# Altium PCB pcb-ash-power.PcbDoc (part 6 of 6)
Units mm, origin at the board's own origin, x right, y up, seen from the top; angles counter-clockwise.
Board outline 140 x 87 mm, 4 copper layers (Top Layer, VCC, GND, Bottom Layer), stack 1.641 mm thick; 589 components, 453 nets, 2323 pads, 1205 vias.
Unrouted connection lines stored in the file: 345.
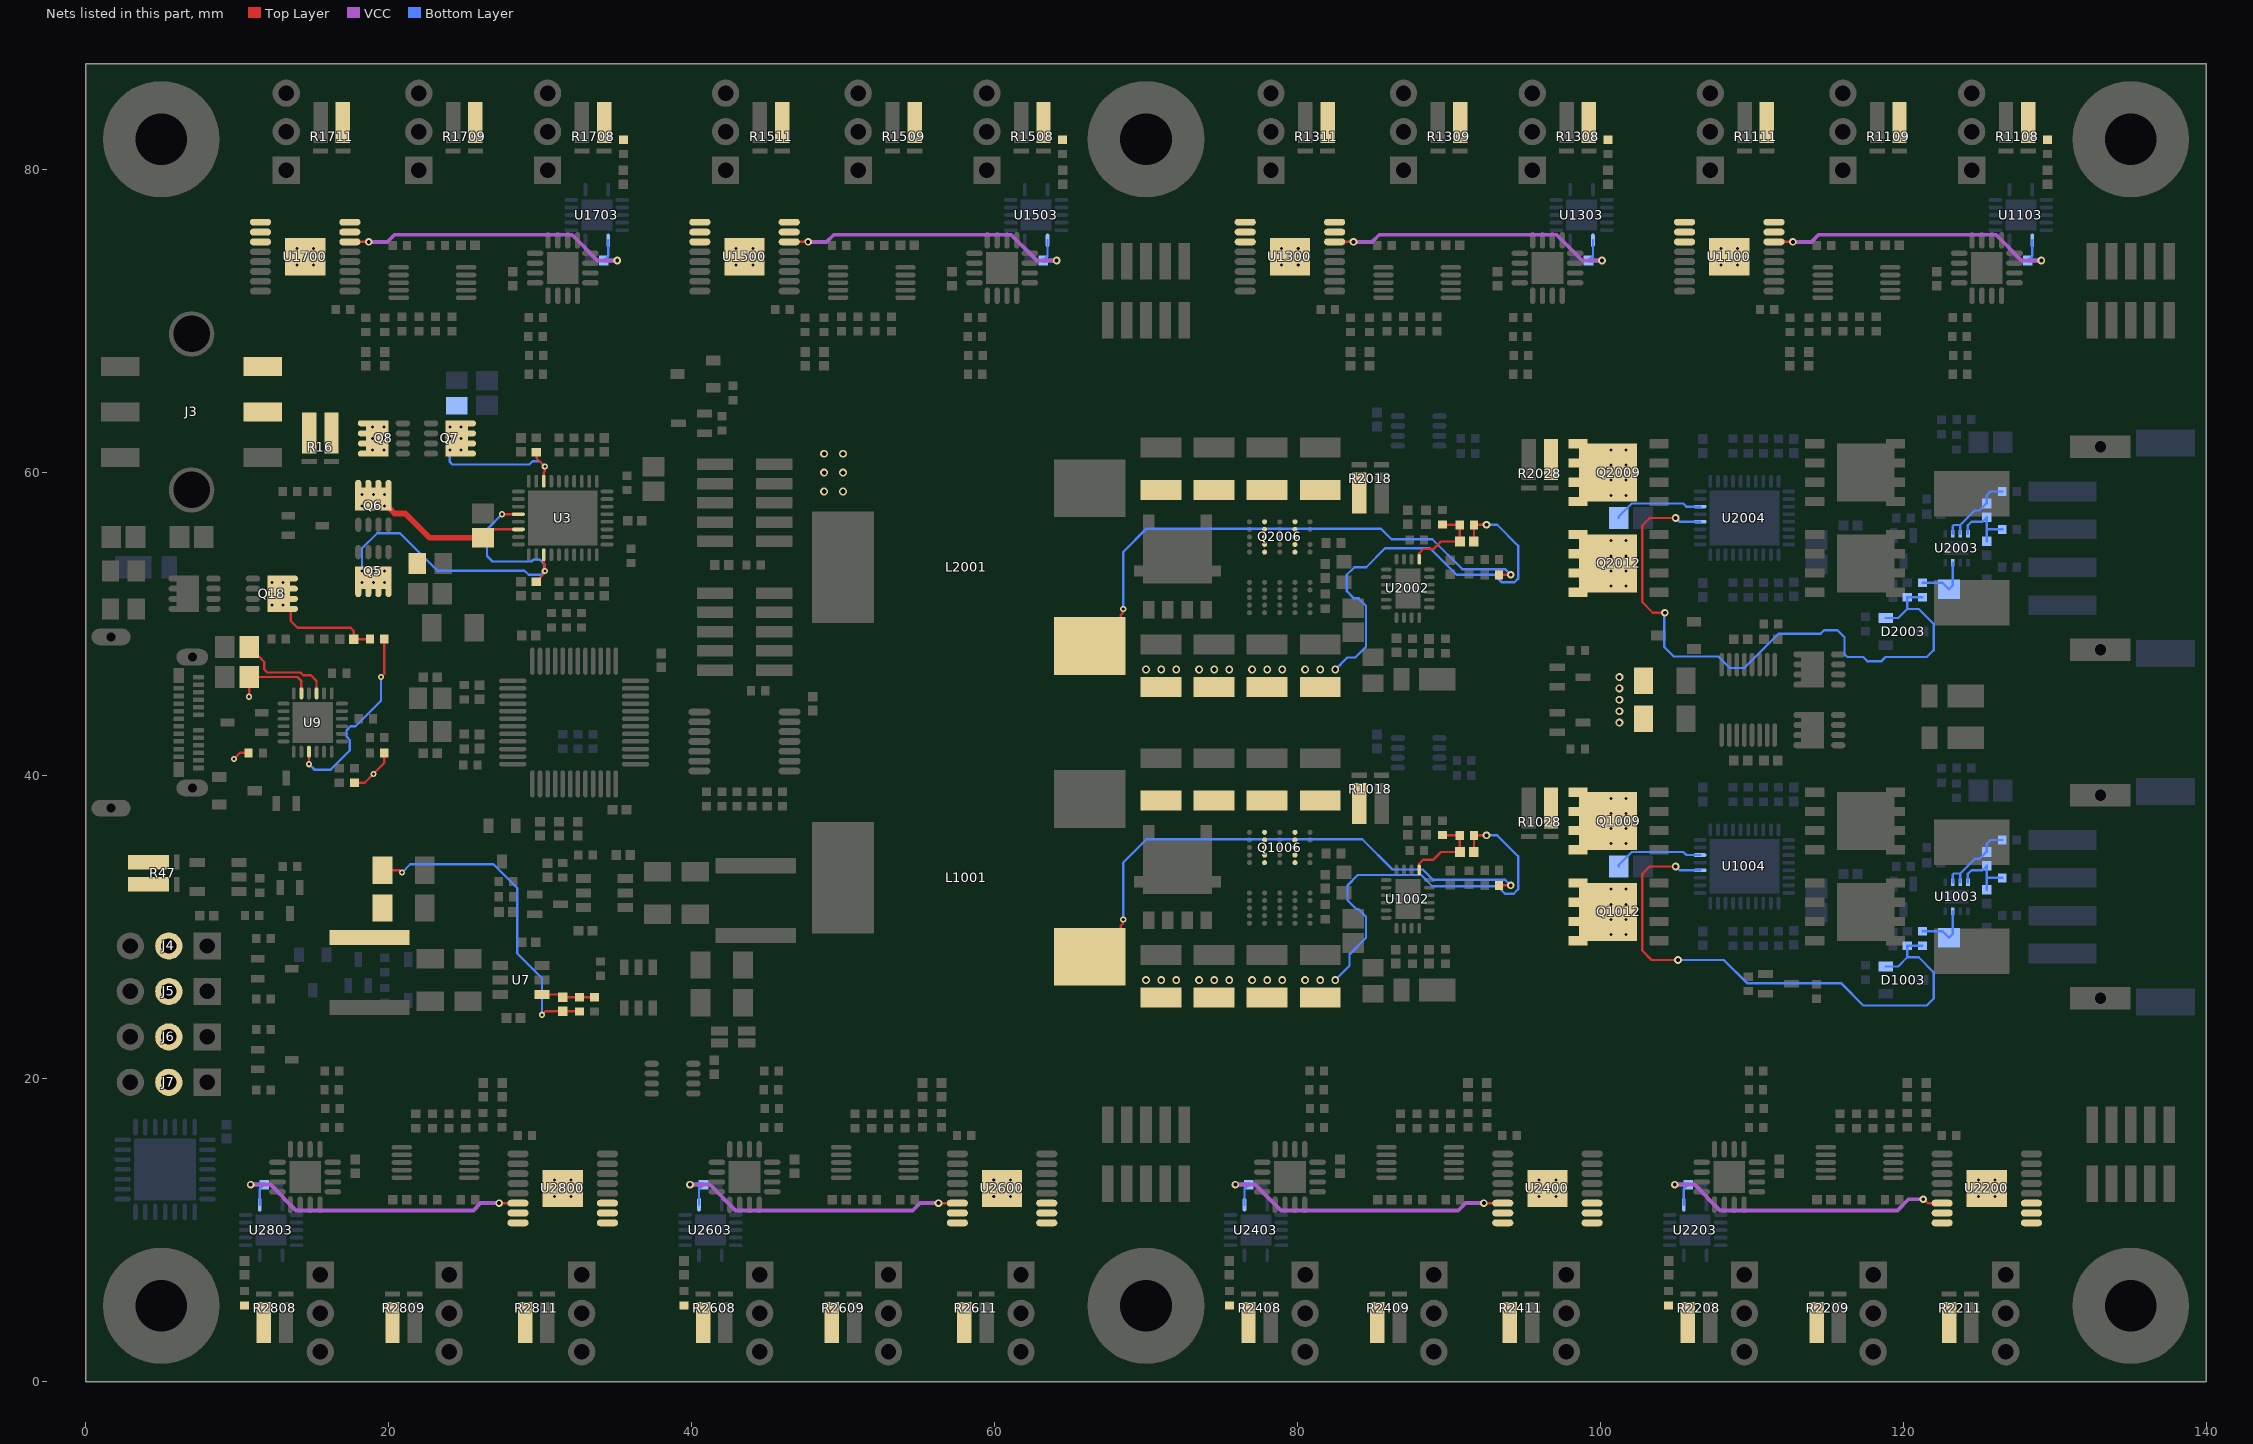
[diagram p8: the nets of this part, all layers, seen from the top]

## Via types
v1: diameter 0.5, hole 0.25, Top Layer to Bottom Layer, tented both sides, 250 vias
v2: diameter 0.406, hole 0.203, Top Layer to Bottom Layer, 244 vias
v3: diameter 0.5, hole 0.2, Top Layer to Bottom Layer, 202 vias
v4: diameter 0.508, hole 0.3, Top Layer to Bottom Layer, 155 vias
v5: diameter 0.4, hole 0.2, Top Layer to Bottom Layer, tented both sides, 103 vias
v6: diameter 0.508, hole 0.254, Top Layer to Bottom Layer, tented both sides, 82 vias
v7: diameter 1.27, hole 0.7, Top Layer to Bottom Layer, 48 vias
v8: diameter 0.4, hole 0.2, Top Layer to Bottom Layer, 47 vias
v9: diameter 0.5, hole 0.254, Top Layer to Bottom Layer, 24 vias
v10: diameter 0.508, hole 0.254, Top Layer to Bottom Layer, 19 vias
v11: diameter 0.508, hole 0.2, Top Layer to Bottom Layer, 17 vias
v12: diameter 0.406, hole 0.203, Top Layer to Bottom Layer, tented both sides, 10 vias
v13: diameter 0.508, hole 0.2, Top Layer to Bottom Layer, tented both sides, 4 vias

## Nets (pads, with @x,y where several pads share a name; then routed paths per layer and width w, separated by ;. In a path a pad name is that pad's centre, name@x,y a point inside that pad or via, vN(x,y) a via of type N, cw(c..) or ccw(c..) an arc to the next point about the centre after c; other vN are vias at no path point) (continued)
VC2_HS_L: C1047.1 C1048.2 R1035.2 U1003.4 | length 4.6
  Bottom Layer w0.152: U1003.4@124.25,32.95 124.25,33.515 124.485,33.75 125.21,33.75 C1047.1@125.5,34.04 125.5,33.25 ; C1048.2@125.5,32.46 125.5,33.25 ; R1035.2@126.525,33.25 125.5,33.25
VC2_HS_R: C2047.1 C2048.2 R2035.2 U2003.4 | length 4.6
  Bottom Layer w0.152: U2003.4@124.25,55.95 124.25,56.515 124.485,56.75 125.21,56.75 C2047.1@125.5,57.04 125.5,56.25 ; C2048.2@125.5,55.46 125.5,56.25 ; R2035.2@126.525,56.25 125.5,56.25
VC3_HS_L: C1047.2 R1033.2 U1003.2 U1003.3 | length 5.6
  Bottom Layer w0.152: U1003.2@123.25,32.95 123.25,33.45 123.34,33.54 123.75,33.54 ; U1003.3@123.75,32.95 123.75,33.54 ; R1033.2@126.525,35.75 125.75,35.75 125.5,35.5 C1047.2@125.5,34.96 125.457,34.96 124.997,34.5 124.71,34.5 123.75,33.54
VC3_HS_R: C2047.2 R2033.2 U2003.2 U2003.3 | length 5.6
  Bottom Layer w0.152: U2003.2@123.25,55.95 123.25,56.45 123.34,56.54 123.75,56.54 ; U2003.3@123.75,55.95 123.75,56.54 ; R2033.2@126.525,58.75 125.75,58.75 125.5,58.5 C2047.2@125.5,57.96 125.457,57.96 124.997,57.5 124.71,57.5 123.75,56.54
VEXT_7V4: J3.5 J3.6 R16.2
VEXT_LOADSHARE: Q7.5 Q7.6 Q7.7 Q7.8 Q7.9 R30.2 R32.2 R33.2 R36.2 U3.26 | length 9.6
  Top Layer w0.152: R33.2@29.75,61.35 29.779,61.321 29.779,60.936 v2(30.318,60.396) 30.318,60.068 30.25,60 U3.26@30.25,59.425
  Bottom Layer w0.152: v5(24.05,61.5) 24.05,60.7 24.213,60.537 29.287,60.537 29.5,60.75 29.964,60.75 v2(30.318,60.396)
  other v4: 101.25,43.5 101.25,44.25 101.25,45 101.25,45.75 101.25,46.5 48.75,58.75 50,58.75 48.75,60 50,60 48.75,61.25 50,61.25
  other v5: 24.8,61.5 24.05,62.25 24.8,62.25 24.05,63 24.8,63
VEXT_VBUS: C41.2 Q5.5 Q5.6 Q5.7 Q5.8 Q5.9 Q18.5 Q18.6 Q18.7 Q18.8 Q18.9 R23.2 R24.2 R62.2 U3.3 U3.32 | length 32.9
  Top Layer w0.152: Q18.5@13.55,51.001 13.55,50.2 14,49.75 17.5,49.75 17.71,49.54 C41.2@17.71,49 R62.2@18.775,49 ; v2(27.5,57.25) U3.32@28.575,57.25 ; R24.2@29.75,52.8 29.775,52.8 29.974,52.999 29.974,53.024 30.27,53.32 30.27,53.451 v2(30.318,53.5) 30.318,53.84 30.25,53.908 30.25,54.249 U3.3@30.25,54.575
  Bottom Layer w0.152: v5(18.25,53.5) 18.25,55 19.25,56 20.75,56 23.23,53.52 28.98,53.52 29.25,53.25 30.068,53.25 v2(30.318,53.5) 30.318,53.932 30,54.25 29.936,54.25 29.929,54.257 29.571,54.257 29.444,54.13 26.87,54.13 26.5,54.5 26.5,56.25 v2(27.5,57.25)
  other v5: 12.3,51.25 13.05,51.25 12.3,52 13.05,52 12.3,52.75 13.05,52.75 18.25,52.75 19,52.75 19.75,52.75 19,53.5 19.75,53.5
VEYE_6V0: J4.2 J5.2 J6.2 J7.2 R47.2
VEYE_6V0_R: C37.2 C38.2 C39.2 L2.2 R47.1 R49.2 | length 21.4
  Top Layer w0.152: C38.2@19.6,33.75 20.75,33.75 v2(20.9,33.6) ; v2(30.129,24.207) 30.362,24.44 C39.2@31.5,24.44 32.585,24.44 R49.2@32.6,24.425
  Bottom Layer w0.152: v2(20.9,33.6) 21.44,34.14 26.929,34.14 28.5,32.569 28.5,28.25 30.129,26.621 v2(30.129,24.207)
VFB: C39.1 R49.1 R50.2 U7.4 | length 3.6
  Top Layer w0.152: U7.4@30.125,25.55 31.31,25.55 C39.1@31.5,25.36 32.585,25.36 R49.1@32.6,25.375 R50.2@33.6,25.375
VFB_REG_L: C1041.1 R1023.1 R1027.2 U1002.7 | length 5.7
  Top Layer w0.152: U1002.7@88.03,33.775 88.03,34.175 88.305,34.45 88.97,34.45 89.47,34.95 C1041.1@90.72,34.95 90.705,34.965 R1023.1@90.705,36.05 89.605,36.05 R1027.2@89.58,36.075
VFB_REG_R: C2041.1 R2023.1 R2027.2 U2002.7 | length 5.7
  Top Layer w0.152: U2002.7@88.03,54.275 88.03,54.675 88.305,54.95 88.97,54.95 89.47,55.45 C2041.1@90.72,55.45 90.705,55.465 R2023.1@90.705,56.55 89.605,56.55 R2027.2@89.58,56.575
VIN_CS_REG_L: C1028.1 C1029.1 C1030.1 C1031.1 Q1006.D R1018.1
VIN_CS_REG_R: C2028.1 C2029.1 C2030.1 C2031.1 Q2006.D R2018.1
VMON_3V3_HS_L: C1046.2 R1036.2 U1003.7 | length 3.8
  Bottom Layer w0.152: R1036.2@121.25,29.725 122.575,29.725 C1046.2@123,29.3 123.25,29.55 U1003.7@123.25,31.05
VMON_3V3_HS_R: C2046.2 R2036.2 U2003.7 | length 3.8
  Bottom Layer w0.152: R2036.2@121.25,52.725 122.575,52.725 C2046.2@123,52.3 123.25,52.55 U2003.7@123.25,54.05
VMON_3V3_OK_HS_L: D1003.A2 R1036.1 R1039.2 U1004.32 | length 37.5
  Top Layer w0.152: v6(104.96,34) 103.25,34 102.75,33.5 102.75,28.45 103.375,27.825 v6(105.117,27.825)
  Bottom Layer w0.152: v6(104.96,34) 105.21,33.75 U1004.32@106.575,33.75 ; v6(105.117,27.825) 108.142,27.825 109.667,26.3 115.869,26.3 117.349,24.82 121.54,24.82 122,25.28 122,27 121,28 120.25,28 ; D1003.A2@118.825,27.4 119.65,27.4 120.25,28 ; R1036.1@121.25,28.775 R1039.2@120.25,28.775 120.25,28
VMON_3V3_OK_HS_R: D2003.A2 R2036.1 R2039.2 U2004.32 | length 41.8
  Top Layer w0.152: v10(104.25,50.75) 103.45,50.75 102.75,51.45 102.75,56.5 103.25,57 v10(104.96,57)
  Bottom Layer w0.152: v10(104.25,50.75) 104.2,50.7 104.2,48.5 104.84,47.86 107.771,47.86 108.526,47.105 109.493,47.105 111.747,49.36 114.529,49.36 114.769,49.6 115.2,49.6 115.631,49.6 116.105,49.126 116.105,48.007 116.288,47.824 117.345,47.824 117.614,47.555 118.555,47.555 118.82,47.82 121.54,47.82 122,48.28 122,50 121,51 120.25,51 ; v10(104.96,57) 105.21,56.75 U2004.32@106.575,56.75 ; D2003.A2@118.825,50.4 119.65,50.4 120.25,51 ; R2036.1@121.25,51.775 R2039.2@120.25,51.775 120.25,51
VOUT: C17.2 Q6.5 Q6.6 Q6.7 Q6.8 Q6.9 Q8.5 Q8.6 Q8.7 Q8.8 Q8.9 R16.1 U3.34 | length 10.9
  Top Layer w0.152: C17.2@26.25,55.7 26.8,56.25 U3.34@28.575,56.25
  Top Layer w0.381: Q6.9@19,58.25 19.45,58.25 20.01,57.69 20.4,57.3 21.1,57.3 22.7,55.7 C17.2@26.25,55.7
  other v5: 18.25,57.8 19,57.8 19.75,57.8 18.25,58.55 19,58.55 19.75,58.55 18.95,61.5 19.7,61.5 18.95,62.25 19.7,62.25 18.95,63 19.7,63
VOUT_DISCH: R62.1 U9.9 | length 12.9
  Top Layer w0.152: v2(14.75,40.75) U9.9@14.75,41.575 ; v2(19.5,46.5) 19.725,46.725 R62.1@19.725,49
  Bottom Layer w0.152: v2(14.75,40.75) 15.108,40.392 16.186,40.392 17.447,41.653 17.447,42.353 17.225,42.575 17.225,42.975 17.5,43.25 17.819,43.25 19.5,44.931 v2(19.5,46.5)
VOUT_HS_L: C1051.2 Q1009.5 Q1009.6 Q1009.7 Q1009.8 Q1009.9 Q1012.5 Q1012.6 Q1012.7 Q1012.8 Q1012.9 R1028.1 U1004.34 | length 5.9
  Bottom Layer w0.152: C1051.2@101.2,34 101.2,34.098 102.062,34.96 105.46,34.96 105.67,34.75 U1004.34@106.575,34.75
  other v3: 100.69,29.5 101.69,29.5 100.69,30.5 101.69,30.5 100.69,31.5 101.69,31.5 100.69,32.5 101.69,32.5 100.69,35.5 101.69,35.5 100.69,36.5 101.69,36.5 100.69,37.5 101.69,37.5 100.69,38.5 101.69,38.5
VOUT_HS_R: C2051.2 Q2009.5 Q2009.6 Q2009.7 Q2009.8 Q2009.9 Q2012.5 Q2012.6 Q2012.7 Q2012.8 Q2012.9 R2028.1 U2004.34 | length 5.9
  Bottom Layer w0.152: C2051.2@101.2,57 101.2,57.098 102.062,57.96 105.46,57.96 105.67,57.75 U2004.34@106.575,57.75
  other v3: 100.69,52.5 101.69,52.5 100.69,53.5 101.69,53.5 100.69,54.5 101.69,54.5 100.69,55.5 101.69,55.5 100.69,58.5 101.69,58.5 100.69,59.5 101.69,59.5 100.69,60.5 101.69,60.5 100.69,61.5 101.69,61.5
VOUT_REG_L: C1037.1 C1038.1 C1039.1 C1040.1 C1041.2 L1001.1 R1023.2 R1026.2 U1100.17 U1300.17 U1500.17 U1700.17 | length 62.1
  Top Layer w0.152: L1001.1@66.29,28.045 66.506,28.045 68.334,29.874 68.334,30.089 68.47,30.225 68.47,30.47 v2(68.5,30.5) ; C1041.2@91.64,34.95 91.655,34.965 R1023.2@91.655,36.05 v6(92.48,36.05) ; R1026.2@93.305,32.75 v6(94.08,32.75)
  Bottom Layer w0.152: v2(68.5,30.5) 68.5,34.258 70.042,35.8 84.269,35.8 86.274,33.795 88.274,33.795 88.944,33.125 93.705,33.125 v6(94.08,32.75) ; v4(82.5,26.5) 82.5,26.52 83.426,27.446 83.426,28.196 84.526,29.296 84.526,30.674 84.005,31.195 83.874,31.195 83.295,31.774 83.295,32.746 83.979,33.43 88.17,33.43 88.9,32.7 93.2,32.7 93.695,32.205 94.267,32.205 94.563,32.5 94.563,34.667 93.18,36.05 v6(92.48,36.05)
  other v3: 13.95,73.7 15.05,73.7 42.95,73.7 44.05,73.7 78.95,73.7 80.05,73.7 107.95,73.7 109.05,73.7 13.95,74.8 15.05,74.8 42.95,74.8 44.05,74.8 78.95,74.8 80.05,74.8 107.95,74.8 109.05,74.8
  other v4: 70,26.5 71,26.5 72,26.5 73.5,26.5 74.5,26.5 75.5,26.5 77,26.5 78,26.5 79,26.5 80.5,26.5 81.5,26.5
VOUT_REG_R: C2037.1 C2038.1 C2039.1 C2040.1 C2041.2 L2001.1 R2023.2 R2026.2 U2200.17 U2400.17 U2600.17 U2800.17 | length 63.4
  Top Layer w0.152: L2001.1@66.29,48.545 66.506,48.545 68.334,50.374 68.334,50.589 68.47,50.725 68.47,50.97 v2(68.5,51) ; C2041.2@91.64,55.45 91.655,55.465 R2023.2@91.655,56.55 v6(92.48,56.55) ; R2026.2@93.305,53.25 v6(94.08,53.25)
  Bottom Layer w0.152: v2(68.5,51) 68.5,54.758 70.042,56.3 85.5,56.3 86.199,55.601 88.899,55.601 90.875,53.625 93.705,53.625 v6(94.08,53.25) ; v4(82.5,47) 83.287,47.787 83.817,47.787 84.526,48.496 84.526,51.204 84.035,51.695 83.73,51.695 83.25,52.175 83.25,53.25 83.755,53.755 84.531,53.755 85.776,55 88.75,55 90.5,53.25 93,53.25 93.5,52.75 94.313,52.75 94.563,53 94.563,55.167 93.18,56.55 v6(92.48,56.55)
  other v3: 30.95,12.2 32.05,12.2 59.95,12.2 61.05,12.2 95.95,12.2 97.05,12.2 124.95,12.2 126.05,12.2 30.95,13.3 32.05,13.3 59.95,13.3 61.05,13.3 95.95,13.3 97.05,13.3 124.95,13.3 126.05,13.3
  other v4: 70,47 71,47 72,47 73.5,47 74.5,47 75.5,47 77,47 78,47 79,47 80.5,47 81.5,47
VSERVO_SAFE_LEG11: C1102.2 R1100.1 R1108.1 R1109.1 R1111.1 U1100.6 U1100.7 U1100.8 U1100.9 U1100.10 U1100.11 U1103.14 | length 20.9
  Top Layer w0.152: U1100.6@111.45,75.225 v6(112.7,75.225)
  VCC w0.254: v6(112.7,75.225) 113.917,75.225 114.392,75.7 126.1,75.7 127.8,74 v6(129.1,74)
  Bottom Layer w0.152: C1102.2@128.21,74 128.5,74.29 U1103.14@128.5,75.325
  Bottom Layer w0.254: C1102.2@128.21,74 v6(129.1,74)
VSERVO_SAFE_LEG12: C2202.2 R2200.1 R2208.1 R2209.1 R2211.1 U2200.6 U2200.7 U2200.8 U2200.9 U2200.10 U2200.11 U2203.14 | length 21.1
  Top Layer w0.152: v6(121.3,12.037) 121.359,12.037 121.621,11.775 U2200.6@122.55,11.775
  VCC w0.254: v6(104.9,13) 106.2,13 107.9,11.3 119.608,11.3 120.345,12.037 v6(121.3,12.037)
  Bottom Layer w0.152: U2203.14@105.5,11.675 105.5,12.71 C2202.2@105.79,13
  Bottom Layer w0.254: v6(104.9,13) C2202.2@105.79,13
VSERVO_SAFE_LEG21: C1302.2 R1300.1 R1308.1 R1309.1 R1311.1 U1300.6 U1300.7 U1300.8 U1300.9 U1300.10 U1300.11 U1303.14 | length 20.9
  Top Layer w0.152: U1300.6@82.45,75.225 v6(83.7,75.225)
  VCC w0.254: v6(83.7,75.225) 84.917,75.225 85.392,75.7 97.1,75.7 98.8,74 v6(100.1,74)
  Bottom Layer w0.152: C1302.2@99.21,74 99.5,74.29 U1303.14@99.5,75.325
  Bottom Layer w0.254: C1302.2@99.21,74 v6(100.1,74)
VSERVO_SAFE_LEG22: C2402.2 R2400.1 R2408.1 R2409.1 R2411.1 U2400.6 U2400.7 U2400.8 U2400.9 U2400.10 U2400.11 U2403.14 | length 20.9
  Top Layer w0.152: v6(92.3,11.775) U2400.6@93.55,11.775
  VCC w0.254: v6(75.9,13) 77.2,13 78.9,11.3 90.608,11.3 91.083,11.775 v6(92.3,11.775)
  Bottom Layer w0.152: U2403.14@76.5,11.675 76.5,12.71 C2402.2@76.79,13
  Bottom Layer w0.254: v6(75.9,13) C2402.2@76.79,13
VSERVO_SAFE_LEG31: C1502.2 R1500.1 R1508.1 R1509.1 R1511.1 U1500.6 U1500.7 U1500.8 U1500.9 U1500.10 U1500.11 U1503.14 | length 20.9
  Top Layer w0.152: U1500.6@46.45,75.225 v6(47.7,75.225)
  VCC w0.254: v6(47.7,75.225) 48.917,75.225 49.392,75.7 61.1,75.7 62.8,74 v6(64.1,74)
  Bottom Layer w0.152: C1502.2@63.21,74 63.5,74.29 U1503.14@63.5,75.325
  Bottom Layer w0.254: C1502.2@63.21,74 v6(64.1,74)
VSERVO_SAFE_LEG32: C2602.2 R2600.1 R2608.1 R2609.1 R2611.1 U2600.6 U2600.7 U2600.8 U2600.9 U2600.10 U2600.11 U2603.14 | length 20.9
  Top Layer w0.152: v6(56.3,11.775) U2600.6@57.55,11.775
  VCC w0.254: v6(39.9,13) 41.2,13 42.9,11.3 54.608,11.3 55.083,11.775 v6(56.3,11.775)
  Bottom Layer w0.152: U2603.14@40.5,11.675 40.5,12.71 C2602.2@40.79,13
  Bottom Layer w0.254: v6(39.9,13) C2602.2@40.79,13
VSERVO_SAFE_LEG41: C1702.2 R1700.1 R1708.1 R1709.1 R1711.1 U1700.6 U1700.7 U1700.8 U1700.9 U1700.10 U1700.11 U1703.14 | length 20.9
  Top Layer w0.152: U1700.6@17.45,75.225 v6(18.7,75.225)
  VCC w0.254: v6(18.7,75.225) 19.917,75.225 20.392,75.7 32.1,75.7 33.8,74 v6(35.1,74)
  Bottom Layer w0.152: C1702.2@34.21,74 34.5,74.29 U1703.14@34.5,75.325
  Bottom Layer w0.254: C1702.2@34.21,74 v6(35.1,74)
VSERVO_SAFE_LEG42: C2802.2 R2800.1 R2808.1 R2809.1 R2811.1 U2800.6 U2800.7 U2800.8 U2800.9 U2800.10 U2800.11 U2803.14 | length 20.9
  Top Layer w0.152: v6(27.3,11.775) U2800.6@28.55,11.775
  VCC w0.254: v6(10.9,13) 12.2,13 13.9,11.3 25.608,11.3 26.083,11.775 v6(27.3,11.775)
  Bottom Layer w0.152: U2803.14@11.5,11.675 11.5,12.71 C2802.2@11.79,13
  Bottom Layer w0.254: v6(10.9,13) C2802.2@11.79,13
VUSB_1V2: C45.2 U9.21 | length 6.5
  Top Layer w0.152: C45.2@10.8,48.5 10.8,48.425 11.374,47.851 11.449,47.851 11.8,47.5 11.8,47 11.995,46.805 14.126,46.805 14.131,46.8 14.2,46.8 14.375,46.625 14.875,46.625 15.25,46.25 U9.21@15.25,45.425
VUSB_2V7: C44.2 R63.1 R64.1 R66.2 U9.23 | length 10
  Top Layer w0.152: v2(9.8,41.1) 10.2,41.5 R66.2@10.763,41.5 ; v2(10.8,45.2) C44.2@10.8,46.5 14,46.5 14.25,46.25 U9.23@14.25,45.425 ; R63.1@17.75,39.525 18.425,39.525 v2(19,40.1) 19.725,40.825 R64.1@19.725,41.5
pads on no net: D1002.4 D2002.4 J1.1 J1.4 J1.6 J1.8 J2.6 J2.7 J2.8 J8.A2 J8.A3 J8.A8 J8.A10 J8.A11 J8.B2 J8.B3 J8.B8 J8.B10 J8.B11 JG1000.1 JG1000.9 JG1000.10 JG1001.1 JG1001.9 JG1001.10 JG2000.1 JG2000.9 JG2000.10 JG2001.1 JG2001.9 JG2001.10 L1001.3 L2001.3 U2.2 U2.3 U2.12 U2.25 U2.38 U2.39 U2.43 U3.9 U3.10 U3.11 U3.14 U3.18 U3.19 U3.20 U8.7 U8.8 U8.9 U8.10 U8.12 U8.13 U8.14 U8.15 U8.16 U8.17 U8.18 U8.19 U9.3 U9.11 U9.15 U9.17 U9.20 U1004.9 U1004.10 U1004.14 U1004.19 U1004.20 U1100.2 U1100.12 U1100.13 U1100.15 U1102.13 U1103.11 U1300.2 U1300.12 U1300.13 U1300.15 U1302.13 U1303.11 U1500.2 U1500.12 U1500.13 U1500.15 U1502.13 U1503.11 U1700.2 U1700.12 U1700.13 U1700.15 U1702.13 U1703.11 U2004.9 U2004.10 U2004.14 U2004.19 U2004.20 U2200.2 U2200.12 U2200.13 U2200.15 U2202.13 U2203.11 U2400.2 U2400.12 U2400.13 U2400.15 U2402.13 U2403.11 U2600.2 U2600.12 U2600.13 U2600.15 U2602.13 U2603.11 U2800.2 U2800.12 U2800.13 U2800.15 U2802.13 U2803.11
copper on no net:
  other v11: 4.3,66.5 4.3,67.5

## Polygon pours and split planes (outlines as drawn)
VAUX_3V3 on Top Layer "NONET_L01_P-001" (solid, pour order 424): 40.25,20.5 38.5,22.25 38.5,23.75 42.75,23.75 42.75,20.5
NetC5_2 on Top Layer "NETC5_2_L01_P389" (solid, pour order 389): 47,22.75 42.75,22.75 42.75,23.75 41.5,23.75 41.5,31.5 47,31.5
GND on Top Layer "NONET_L01_P-001" (solid, remove dead copper, pour order 450): 0,87 0,0 140,0 140,87
SOURCE1_HS_R on Top Layer "SOURCE1_HS_R_L01_P328" (solid, pour order 328): 105,62.5 105,61.5 102.9,61.5 102.9,57.5 107,57.5 107,58.75 115,58.75 115,62.5
GND on Top Layer "GND_L01_P381" (solid, pour order 381): 24.75,35.25 24.75,30.25 28,30.25 28,27 21.75,27 21.75,35.25
GND on Top Layer "GND_L01_P388" (solid, pour order 388): 35,29.75 36,28.75 36.25,28.75 38.5,28.75 38.5,23.75 41.5,23.75 41.5,31.5 36.5,31.5 36.5,31.75 35,31.75
VOUT on Top Layer "VOUT_L01_P418" (solid, pour order 418): 15.5,61 17.5,61 17.5,57.25 20.25,57.25 20.25,64.25 15.5,64.25
NetC18_2 on Top Layer "NETC18_2_L01_P420" (solid, pour order 420): 20.5,54 20.5,57.25 17.5,57.25 17.5,54
VBAT2_7V4 on Top Layer "VBAT2_7V4_L01_P369" (solid, pour order 369): 120.6,45.6 120.6,44 122.8,44 122.8,46.7 121.4,48.1 120.4,48.1 118,50.5 118,51.75 121.75,51.75 121.75,53 127,53 127,41.8 125.95,40.75 115.5,40.75 115.5,34 121.75,34 121.75,37.25 130,37.25 133,40.25 133,55.75 128.5,60.25 122,60.25 122,56.5 115.5,56.5 115.5,48.4 115.1,48.4 115.1,45.6
VBAT1_7V4 on Top Layer "VBAT1_7V4_L01_P370" (solid, pour order 370): 139.25,60.5 135.5,64.25 135.25,64.5 115.5,64.5 115.5,57.25 131.5,57.25 133,55.75 133,40.25 130,37.25 121.75,37.25 121.75,33.5 115.5,33.5 115.5,28.25 134.5,28.25 139.25,33
SOURCE2_HS_R on Top Layer "SOURCE2_HS_R_L01_P330" (solid, pour order 330): 112,56.5 112,55.25 103.235,55.25 103.235,51.5 113.25,51.5 113.25,52.5 115,52.5 115,56.5
VOUT_HS_R on Top Layer "VOUT_HS_R_L01_P361" (solid, pour order 361): 96.25,59.5 97.5,59.5 97.5,51.75 102.5,51.75 102.5,62.25 96.25,62.25
GND on Top Layer "GND_L01_P385" (solid, pour order 385): 111.75,58.75 107,58.75 107,55.25 111.75,55.25
SOURCE2_HS_L on Top Layer "SOURCE2_HS_L_L01_P331" (solid, pour order 331): 112,33.5 112,32.25 103.235,32.25 103.235,28.5 113.25,28.5 113.25,29.5 115,29.5 115,33.5
SW_REG_L on Top Layer "SW_REG_L_L01_P313" (solid, pour order 313): 84.84,34.053 82.508,34.053 82.405,33.95 80.58,33.95 80.58,35.25 81.08,35.25 81.08,36.5 80.08,36.5 80.08,34 79.58,34 79.58,36.75 78.08,36.75 78.08,34 77.58,34 77.58,36.75 69.28,36.75 69.28,40.5 63.83,40.5 63.83,32 76.33,32 76.33,32.75 77.58,32.75 77.58,30 78.08,30 78.08,32.75 79.58,32.75 79.58,30 80.08,30 80.08,32.75 80.93,32.75 81.305,33.125 84.005,33.125 84.155,32.975 86.18,32.975 86.18,33.225 85.667,33.225
RS_HI1 on Top Layer "RS_HI1_L01_P411" (solid, pour order 411): 105,42.75 105,44.9 114.75,44.9 114.75,41.75 107.7,41.75 107.7,42.75
RS_HI2 on Top Layer "RS_HI2_L01_P410" (solid, pour order 410): 105,47.25 105,45.1 114.75,45.1 114.75,48.25 107.7,48.25 107.7,47.25
VAUX_3V3 on Top Layer "NONET_L01_P-001" (solid, pour order 445): 26.5,45.25 26.5,47.5 24.5,47.5 24.5,51.25 33.5,51.25 33.5,48.75 29.25,48.75 29.25,45.25
VBAT_DOR_7V4 on Top Layer "NONET_L01_P-001" (solid, pour order 444): 126.75,41.5 126.75,46.25 122.75,46.25 122.75,41.5
VBAT_DOR_7V4 on Top Layer "NONET_L01_P-001" (solid, pour order 440): 36,22.3 36,27.2 33.6,27.2 33.6,26 34.6,26 34.6,22.3
VBAT1_7V4 on Top Layer "NONET_L01_P-001" (solid, pour order 430): 115,44.75 118.5,44.75 118.5,43.75 122.75,43.75 122.75,41 115,41
SW on Top Layer "SW_L01_P379" (solid, pour order 379): 28,27 16,27 16,24 21.5,24 21.5,26 28,26
VEYE_6V0_R on Top Layer "VEYE_6V0_R_L01_P380" (solid, pour order 380): 15.5,27.25 15.5,34.75 6.25,34.75 6.25,33.75 1.5,33.75 1.5,37.25 21.5,37.25 21.5,27.25
VOUT_REG_R on Top Layer "VOUT_REG_L" (solid, pour order 321): 83.08,47.75 83.08,44.75 63.83,44.75 63.83,50.5 69.28,50.5 69.28,47.75
VOUT_REG_L on Top Layer "VOUT_REG_L" (solid, pour order 322): 83.08,27.25 83.08,24.25 63.83,24.25 63.83,30 69.28,30 69.28,27.25
NetC2_2 on Top Layer "NONET_L01_P-001" (solid, pour order 437): 11.75,40.25 9.25,40.25 9.25,37.75 11.75,37.75
NetC1_2 on Top Layer "NETC1_2_L01_P387" (solid, pour order 387): 35,31.8 46.15,31.8 46.9,32.55 46.9,34.55 41.6,34.55 41.6,32.7 35,32.7
NetC2_2 on Top Layer "NETC2_2_L01_P391" (solid, pour order 391): 35,32.75 35,29.75 38.5,29.75 38.5,23.75 36,23.75 36,27.75 34,27.75 34,33.75 35.5,33.75 35.5,35.5 41.25,35.5 41.25,32.75
VEYE_6V0 on Top Layer "VEYE_6V0_L01_P372" (solid, pour order 372): 6.25,33.3 1.5,33.3 1.5,18.55 7,18.55 7,30.8 6.25,31.55
VEXT_LOADSHARE on Top Layer "NONET_L01_P-001" (solid, pour order 426): 103.5,47.25 100.75,47.25 100.75,42.75 103.5,42.75
NetC26_2 on Top Layer "NETC26_2_L01_P421" (solid, pour order 421): 23.5,64.25 23.5,60.75 20.25,60.75 20.25,64.25
VEXT_VBUS on Top Layer "VEXT_VBUS_L01_P419" (solid, pour order 419): 20.5,54 20.5,55 22.75,55 22.75,53 20.5,53 20.5,50.5 11.75,50.5 11.75,54
VEXT_7V4 on Top Layer "VEXT_7V4_L01_P417" (solid, pour order 417): 15.5,61 13.5,61 13.5,62 9.75,62 9.75,68.5 15.5,68.5
NetC43_2 on Top Layer "NETC43_2_L01_P416" (solid, pour order 416): 7.75,50.25 7.75,54.5 7,54.5 7,56.75 11.75,56.75 11.75,50.25
GND on Top Layer "GND_L01_P384" (solid, pour order 384): 0.25,48.25 0.25,50 10,50 10,45.5 8,45.5 8,46 5.75,46 5.75,48.25
VBUS on Top Layer "VBUS_L01_P378" (solid, pour order 378): 7.75,54.5 2.5,54.5 2.5,52.25 4.5,52.25 4.5,50.25 7.75,50.25
GND on Top Layer "GND_L01_P407" (solid, pour order 407): 86.5,38 86.5,36.5 91,36.5 91,38
GND on Top Layer "GND_L01_P406" (solid, pour order 406): 86.5,58.5 86.5,57 91,57 91,58.5
REG_VIN_R on Top Layer "REG_VIN_R_L01_P365" (solid, pour order 365): 86.5,57.25 86.5,58.5 94.5,58.5 94.5,59.5 95.75,59.5 95.75,62.25 86,62.25 86,60.25 85,60.25 85,57.25
SW_REG_R on Top Layer "SW_REG_R_L01_P314" (solid, pour order 314): 84.84,54.553 82.508,54.553 82.405,54.45 80.58,54.45 80.58,55.75 81.08,55.75 81.08,57 80.08,57 80.08,54.5 79.58,54.5 79.58,57.25 78.08,57.25 78.08,54.5 77.58,54.5 77.58,57.25 69.28,57.25 69.28,61 63.83,61 63.83,52.5 76.33,52.5 76.33,53.25 77.58,53.25 77.58,50.5 78.08,50.5 78.08,53.25 79.58,53.25 79.58,50.5 80.08,50.5 80.08,53.25 80.93,53.25 81.305,53.625 84.005,53.625 84.155,53.475 86.18,53.475 86.18,53.725 85.667,53.725
NetC34_2 on Top Layer "NETC34_2_L01_P383" (solid, pour order 383): 21.75,26 21.75,23 28.25,23 28.25,26
GND on Top Layer "GND_L01_P386" (solid, pour order 386): 111.75,35.75 107,35.75 107,32.25 111.75,32.25
REG_VIN_L on Top Layer "REG_VIN_L_L01_P371" (solid, pour order 371): 85,36.75 85,40.25 95.75,40.25 95.75,36.5 91,36.5 91,38 86.5,38 86.5,36.75
SOURCE1_HS_L on Top Layer "SOURCE1_HS_L_L01_P329" (solid, pour order 329): 105,39.5 105,38.5 102.9,38.5 102.9,34.5 107,34.5 107,35.75 115,35.75 115,39.5
VOUT_HS_L on Top Layer "VOUT_HS_L_L01_P362" (solid, pour order 362): 96.25,36.5 97.5,36.5 97.5,28.75 102.5,28.75 102.5,39.25 96.25,39.25
NetJS1102_2 on Top Layer "NETJS1102_2_L01_P352" (solid, pour order 352): 106.05,83.7 106.05,81.4 110.05,81.4 110.05,84.7 108.75,84.7 108.75,83.7
NetJS2202_2 on Top Layer "NETJS2202_2_L01_P351" (solid, pour order 351): 127.95,3.3 127.95,5.6 123.95,5.6 123.95,2.3 125.25,2.3 125.25,3.3
NetJS2201_2 on Top Layer "NETJS2201_2_L01_P346" (solid, pour order 346): 119.2,3.3 119.2,5.6 115.2,5.6 115.2,2.3 116.5,2.3 116.5,3.3
NetJS2200_2 on Top Layer "NETJS2200_2_L01_P340" (solid, pour order 340): 110.7,3.3 110.7,5.6 106.7,5.6 106.7,2.3 108,2.3 108,3.3
VSERVO_SAFE_LEG12 on Top Layer "VSERVO_SAFE_LEG12_L01_P310" (solid, pour order 310): 121,12 123.5,12 123.5,11.25 127.5,11.25 127.5,12 130,12 130,0.5 104,0.5 104,5.25 106.25,5.25 106.25,2.25 108,2.25 108,3.25 113,3.25 113,5.25 114.75,5.25 114.75,2.25 116.5,2.25 116.5,3.25 121.5,3.25 121.5,5.25 123.5,5.25 123.5,2.25 125.25,2.25 125.25,3.25 128,3.25 128,9.5 121,9.5
NetJS2402_2 on Top Layer "NETJS2402_2_L01_P350" (solid, pour order 350): 98.95,3.3 98.95,5.6 94.95,5.6 94.95,2.3 96.25,2.3 96.25,3.3
NetJS2401_2 on Top Layer "NETJS2401_2_L01_P345" (solid, pour order 345): 90.2,3.3 90.2,5.6 86.2,5.6 86.2,2.3 87.5,2.3 87.5,3.3
NetJS2400_2 on Top Layer "NETJS2400_2_L01_P339" (solid, pour order 339): 81.7,3.3 81.7,5.6 77.7,5.6 77.7,2.3 79,2.3 79,3.3
VSERVO_SAFE_LEG22 on Top Layer "VSERVO_SAFE_LEG22_L01_P309" (solid, pour order 309): 92,12 94.5,12 94.5,11.25 98.5,11.25 98.5,12 101,12 101,0.5 75,0.5 75,5.25 77.25,5.25 77.25,2.25 79,2.25 79,3.25 84,3.25 84,5.25 85.75,5.25 85.75,2.25 87.5,2.25 87.5,3.25 92.5,3.25 92.5,5.25 94.5,5.25 94.5,2.25 96.25,2.25 96.25,3.25 99,3.25 99,9.5 92,9.5
NetJS2602_2 on Top Layer "NETJS2602_2_L01_P349" (solid, pour order 349): 62.95,3.3 62.95,5.6 58.95,5.6 58.95,2.3 60.25,2.3 60.25,3.3
NetJS2601_2 on Top Layer "NETJS2601_2_L01_P344" (solid, pour order 344): 54.2,3.3 54.2,5.6 50.2,5.6 50.2,2.3 51.5,2.3 51.5,3.3
NetJS2600_2 on Top Layer "NETJS2600_2_L01_P338" (solid, pour order 338): 45.7,3.3 45.7,5.6 41.7,5.6 41.7,2.3 43,2.3 43,3.3
VSERVO_SAFE_LEG32 on Top Layer "VSERVO_SAFE_LEG32_L01_P308" (solid, pour order 308): 56,12 58.5,12 58.5,11.25 62.5,11.25 62.5,12 65,12 65,0.5 39,0.5 39,5.25 41.25,5.25 41.25,2.25 43,2.25 43,3.25 48,3.25 48,5.25 49.75,5.25 49.75,2.25 51.5,2.25 51.5,3.25 56.5,3.25 56.5,5.25 58.5,5.25 58.5,2.25 60.25,2.25 60.25,3.25 63,3.25 63,9.5 56,9.5
VSERVO_SAFE_LEG42 on Top Layer "VSERVO_SAFE_LEG42_L01_P307" (solid, pour order 307): 27,12 29.5,12 29.5,11.25 33.5,11.25 33.5,12 36,12 36,0.5 10,0.5 10,5.25 12.25,5.25 12.25,2.25 14,2.25 14,3.25 19,3.25 19,5.25 20.75,5.25 20.75,2.25 22.5,2.25 22.5,3.25 27.5,3.25 27.5,5.25 29.5,5.25 29.5,2.25 31.25,2.25 31.25,3.25 34,3.25 34,9.5 27,9.5
NetJS2800_2 on Top Layer "NETJS2800_2_L01_P337" (solid, pour order 337): 16.7,3.3 16.7,5.6 12.7,5.6 12.7,2.3 14,2.3 14,3.3
NetJS2801_2 on Top Layer "NETJS2801_2_L01_P343" (solid, pour order 343): 25.2,3.3 25.2,5.6 21.2,5.6 21.2,2.3 22.5,2.3 22.5,3.3
NetJS2802_2 on Top Layer "NETJS2802_2_L01_P348" (solid, pour order 348): 33.95,3.3 33.95,5.6 29.95,5.6 29.95,2.3 31.25,2.3 31.25,3.3
VSERVO_SAFE_LEG41 on Top Layer "VSERVO_SAFE_LEG41_L01_P306" (solid, pour order 306): 19,75 16.5,75 16.5,75.75 12.5,75.75 12.5,75 10,75 10,86.5 36,86.5 36,81.75 33.75,81.75 33.75,84.75 32,84.75 32,83.75 27,83.75 27,81.75 25.25,81.75 25.25,84.75 23.5,84.75 23.5,83.75 18.5,83.75 18.5,81.75 16.5,81.75 16.5,84.75 14.75,84.75 14.75,83.75 12,83.75 12,77.5 19,77.5
NetJS1702_2 on Top Layer "NETJS1702_2_L01_P347" (solid, pour order 347): 12.05,83.7 12.05,81.4 16.05,81.4 16.05,84.7 14.75,84.7 14.75,83.7
VSERVO_SAFE_LEG31 on Top Layer "VSERVO_SAFE_LEG31_L01_P305" (solid, pour order 305): 48,75 45.5,75 45.5,75.75 41.5,75.75 41.5,75 39,75 39,86.5 65,86.5 65,81.75 62.75,81.75 62.75,84.75 61,84.75 61,83.75 56,83.75 56,81.75 54.25,81.75 54.25,84.75 52.5,84.75 52.5,83.75 47.5,83.75 47.5,81.75 45.5,81.75 45.5,84.75 43.75,84.75 43.75,83.75 41,83.75 41,77.5 48,77.5
VSERVO_SAFE_LEG21 on Top Layer "VSERVO_SAFE_LEG21_L01_P304" (solid, pour order 304): 84,75 81.5,75 81.5,75.75 77.5,75.75 77.5,75 75,75 75,86.5 101,86.5 101,81.75 98.75,81.75 98.75,84.75 97,84.75 97,83.75 92,83.75 92,81.75 90.25,81.75 90.25,84.75 88.5,84.75 88.5,83.75 83.5,83.75 83.5,81.75 81.5,81.75 81.5,84.75 79.75,84.75 79.75,83.75 77,83.75 77,77.5 84,77.5
NetJS1301_2 on Top Layer "NETJS1301_2_L01_P342" (solid, pour order 342): 85.8,83.7 85.8,81.4 89.8,81.4 89.8,84.7 88.5,84.7 88.5,83.7
NetJS1701_2 on Top Layer "NETJS1701_2_L01_P359" (solid, pour order 359): 20.8,83.7 20.8,81.4 24.8,81.4 24.8,84.7 23.5,84.7 23.5,83.7
NetJS1700_2 on Top Layer "NETJS1700_2_L01_P358" (solid, pour order 358): 29.3,83.7 29.3,81.4 33.3,81.4 33.3,84.7 32,84.7 32,83.7
NetJS1502_2 on Top Layer "NETJS1502_2_L01_P357" (solid, pour order 357): 41.05,83.7 41.05,81.4 45.05,81.4 45.05,84.7 43.75,84.7 43.75,83.7
NetJS1501_2 on Top Layer "NETJS1501_2_L01_P356" (solid, pour order 356): 49.8,83.7 49.8,81.4 53.8,81.4 53.8,84.7 52.5,84.7 52.5,83.7
NetJS1500_2 on Top Layer "NETJS1500_2_L01_P355" (solid, pour order 355): 58.3,83.7 58.3,81.4 62.3,81.4 62.3,84.7 61,84.7 61,83.7
NetJS1302_2 on Top Layer "NETJS1302_2_L01_P354" (solid, pour order 354): 77.05,83.7 77.05,81.4 81.05,81.4 81.05,84.7 79.75,84.7 79.75,83.7
NetJS1300_2 on Top Layer "NETJS1300_2_L01_P353" (solid, pour order 353): 94.3,83.7 94.3,81.4 98.3,81.4 98.3,84.7 97,84.7 97,83.7
NetJS1101_2 on Top Layer "NETJS1101_2_L01_P341" (solid, pour order 341): 114.8,83.7 114.8,81.4 118.8,81.4 118.8,84.7 117.5,84.7 117.5,83.7
NetJS1100_2 on Top Layer "NETJS1100_2_L01_P336" (solid, pour order 336): 123.3,83.7 123.3,81.4 127.3,81.4 127.3,84.7 126,84.7 126,83.7
VIN_CS_REG_R on Top Layer "VIN_CS_REG_R_L01_P312" (solid, pour order 312): 84.58,59.5 84.58,60 83.58,60 69.33,60 69.33,57.25 77.58,57.25 77.58,54.5 78.08,54.5 78.08,57.25 79.58,57.25 79.58,54.5 80.08,54.5 80.08,57.25 84.58,57.25
VIN_CS_REG_L on Top Layer "VIN_CS_REG_L_L01_P311" (solid, pour order 311): 84.58,39 84.58,39.5 83.58,39.5 69.33,39.5 69.33,36.75 77.58,36.75 77.58,34 78.08,34 78.08,36.75 79.58,36.75 79.58,34 80.08,34 80.08,36.75 84.58,36.75
VSERVO_SAFE_LEG11 on Top Layer "VSERVO_SAFE_LEG11_L01_P303" (solid, pour order 303): 113,75 110.5,75 110.5,75.75 106.5,75.75 106.5,75 104,75 104,86.5 130,86.5 130,81.75 127.75,81.75 127.75,84.75 126,84.75 126,83.75 121,83.75 121,81.75 119.25,81.75 119.25,84.75 117.5,84.75 117.5,83.75 112.5,83.75 112.5,81.75 110.5,81.75 110.5,84.75 108.75,84.75 108.75,83.75 106,83.75 106,77.5 113,77.5
VAUX_3V3 on VCC "NONET_L01_P-001" (solid, pour order 442): 0,0 0,87 140,87 140,0
VOUT_REG_R on VCC "NONET_L01_P-001" (solid, pour order 429): 83.5,15 83.5,44 69.25,44 69.25,49 94.6,49 94.6,15 127.5,15 127.5,10 30,10 30,15
VOUT_REG_L on VCC "NONET_L01_P-001" (solid, pour order 435): 69,27 83,27 83,23 57,23 57,72 12.75,72 12.75,77 110.25,77 110.25,72 69,72
GND on VCC "GND_REG_L" (solid, pour order 318): 69.33,47.75 69.33,62.5 83.08,62.5 83.08,47.75
GND on VCC "GND_REG_L" (solid, pour order 317): 69.33,27.25 69.33,42 83.08,42 83.08,27.25
VBAT_DOR_7V4 on VCC "NONET_L01_P-001" (solid, pour order 441): 127,42 127,46 108,46 95,33 95,19 99,19 99,30 112,43 121,43 121,42
VUSB_2V7 on VCC "NONET_L01_P-001" (solid, pour order 425): 12.5,37.5 12.5,40 7.5,40 7.5,47.5 20,47.5 20,37.5
VEXT_LOADSHARE on VCC "NONET_L01_P-001" (solid, pour order 436): 51.25,58 35.75,58 35.75,60 23.5,60 23.5,63.5 40.75,63.5 40.75,61.75 51.25,61.75
NetC2_2 on VCC "NONET_L01_P-001" (solid, pour order 431): 41.25,36.75 36,36.75 36,37.75 12.5,37.75 12.5,40 9.25,40 9.25,35.75 34.25,35.75 34.25,34.25 41.25,34.25
VBAT1_7V4 on VCC "NONET_L01_P-001" (solid, pour order 427): 138.165,45.75 131,45.75 126.5,41.25 120.5,41.25 120.5,43.5 116.5,43.5 116.5,39.25 128.5,39.25 132.335,43.085 138.165,43.085
VBUS on VCC "VBUS_L02_P376" (solid, pour order 376): 5.75,41.5 5.75,48.5 3.25,48.5 3.25,55 10,55 10,41.5
GND on GND "GROUND_LAYER" (solid, remove dead copper, pour order 323): 0,0 0,87 140,87 140,0
GND on GND "GND_REG_L" (solid, pour order 366): 69.33,47 69.33,63.25 83.08,63.25 83.08,47
GND on GND "GND_REG_L" (solid, pour order 324): 69.33,26.5 69.33,42.75 83.08,42.75 83.08,26.5
VEXT_LOADSHARE on Bottom Layer "NONET_L01_P-001" (solid, pour order 448): 68,47 67.4,47 67.4,62 48,62 48,58 58,58 58,39 69.75,39 69.75,43 102,43 102,47
VBAT_DOR_7V4 on Bottom Layer "VBAT_DOR_7V4_L04_P394" (solid, pour order 394): 95,21.7 95,19 99,19 99,21.7 99,24 35.1,24 29.9,24 29.9,30 21.75,30 20.75,30 20.75,28.75 20.75,27.25 21.75,27.25 21.75,28.5 24,28.5 24,24.6 26.5,24.6 26.5,21.7
GND on Bottom Layer "NONET_L01_P-001" (solid, remove dead copper, pour order 449): 0,0 0,87 140,87 140,0
VBAT2_7V4 on Bottom Layer "NONET_L01_P-001" (solid, remove dead copper, pour order 434): 113.2,39 113.2,34.5 118,34.5 118,39
VBAT1_7V4 on Bottom Layer "NONET_L01_P-001" (solid, remove dead copper, pour order 422): 113.3,62 113.3,57.5 118,57.5 118,62
VOUT_HS_R on Bottom Layer "VOUT_HS_R_L04_P325" (solid, remove dead copper, pour order 325): 102.75,51.75 102.75,57 106,57 106,62.25 96.255,62.25 96.255,51.75
GND on Bottom Layer "GND_L04_P367" (solid, pour order 367): 125.75,63.25 125.75,60.75 128.25,60.75 128.25,63.25
VOUT_HS_L on Bottom Layer "VOUT_HS_L_L04_P326" (solid, remove dead copper, pour order 326): 102.75,28.75 102.75,34 106,34 106,39.25 96.255,39.25 96.255,28.75
NetC34_2 on Bottom Layer "NETC34_2_L04_P393" (solid, pour order 393): 26.5,24.6 24,24.6 24,28.5 21.5,28.5 21.5,23 26.5,23
VEXT_LOADSHARE on Bottom Layer "NONET_L01_P-001" (solid, pour order 446): 22.25,60.25 22.25,65.25 25.5,65.25 25.5,60.25
GND on Bottom Layer "GND_L04_P368" (solid, pour order 368): 125.75,40.25 125.75,37.75 128.25,37.75 128.25,40.25

## Other copper
Top Layer:
  region net NetFB2001_2: 80.655,51.425 80.655,50.575 81.055,50.575 81.23,50.75 82.13,50.75 82.13,51.275 81.205,51.275 81.055,51.425
  region net NetFB2000_2: 80.655,54.575 80.655,55.425 81.155,55.425 81.38,55.65 82.155,55.65 82.155,55.05 81.505,55.05 81.03,54.575
  region net NetFB1001_2: 80.655,30.925 80.655,30.075 81.055,30.075 81.23,30.25 82.13,30.25 82.13,30.775 81.205,30.775 81.055,30.925
  region net NetFB1000_2: 80.655,34.075 80.655,34.925 81.155,34.925 81.38,35.15 82.155,35.15 82.155,34.55 81.505,34.55 81.03,34.075
  text "JTAG" at 43.217,61.8 h1

## Silkscreen, mask and mechanical layers (free items; w line width, h text height)
Top Overlay:
  lines w0.2: 8,45.75 8.25,45.5 8.25,49.5 8.5,49.75 14,49.75 14.5,50.25 14.5,52.5 ; 22.5,38.5 22.25,38.25 26,38.25 26.75,37.5 32.75,37.5 ; 24.75,43.75 24.5,43.5 26.75,43.5 26.75,40.25 28.75,40.25 ; 40.5,12 40.5,16.25 43.75,16.25 44,16.5 44,21 43.75,20.75
  lines w0.254: 85.25,22 85.25,24.5 85.5,24.25 ; 85.25,42.5 85.25,45 85.5,44.75
  text "REV: .project_revision / (c) GPA-Robotics 2020" at 94.178,21.127 h2
Bottom Overlay:
  lines w0.254: 124.75,28.75 124.75,30.5 ; 124.75,33.75 124.75,35.25 126,36.5 128,36.5 128,28.75 126.25,28.75 ; 124.75,51.75 124.75,53.5 ; 124.75,56.75 124.75,58.25 126,59.5 128,59.5 128,51.75 126.25,51.75 ; 126.75,24 127.5,24 ; 126.75,47 127.5,47 ; 127.5,28.75 127.5,24.25 127.5,24 ; 127.5,51.75 127.5,47.25 127.5,47 ; 134,24 127.5,24 ; 134,47 127.5,47
Top Solder:
  rectangle: 43.217,61.8 47.217,63.3